# KiCad board data-center-ddr5-tester.kicad_pcb (continued)
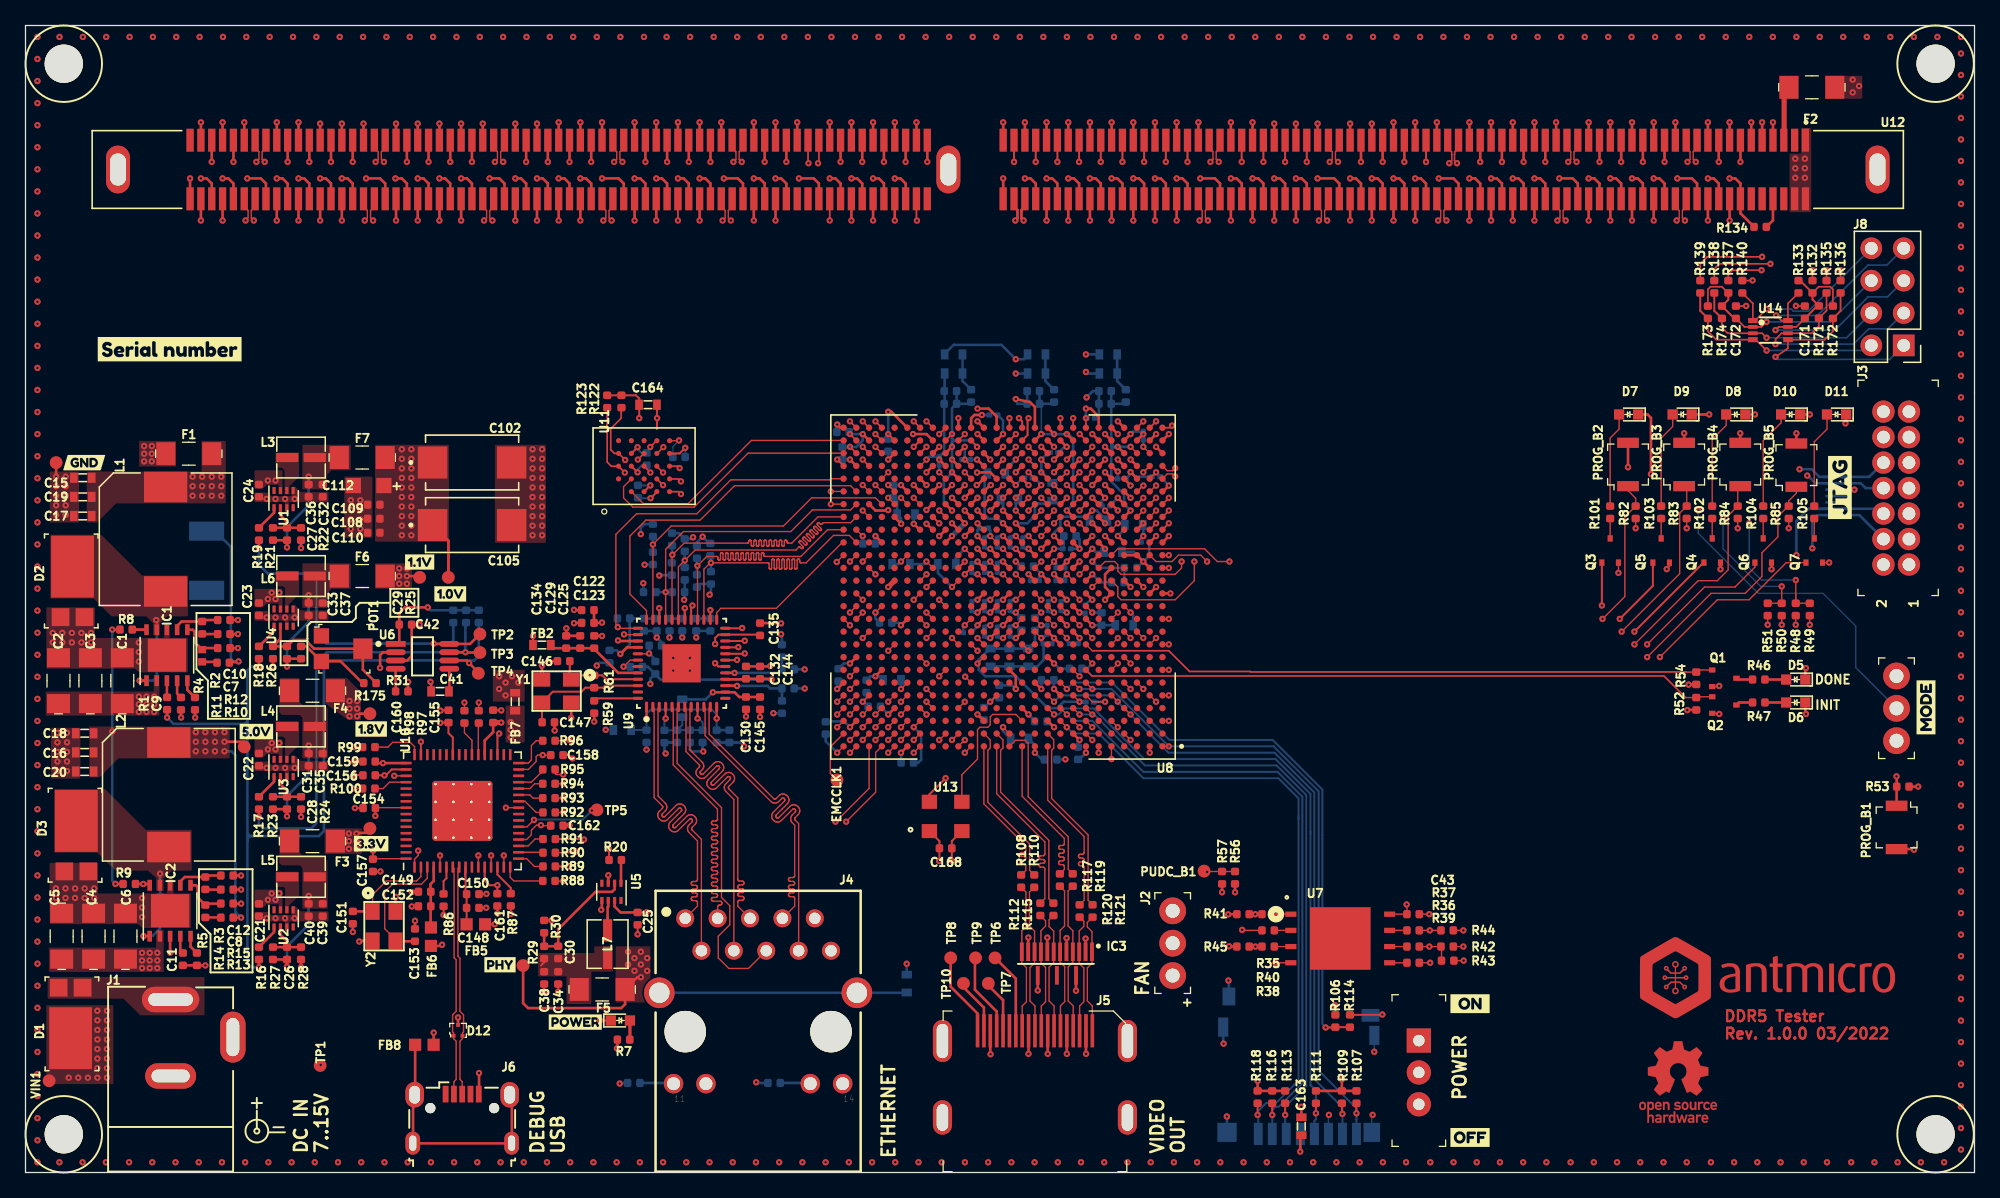
[diagram p0: board, top side]
## Routing (per net, layer and track width the routed paths; a pad name or vN(x,y) marks a point on that pad's centre or on a via; arc(x,y) is an arc through that point) (continued)
SCL_3V3: length 94.3
  Top w0.1: U8.E25 v1(64.64,36.94)
  Top w0.127: R135.1 v1(141.2,70.8)
  In2.Cu w0.127: v1(141.2,70.8) 141.2,67 115.1,40.9 80.3,40.9 79.7,40.3 71.7,40.3 70.8,39.4 68.2,39.4 66.9,38.1 65.8,38.1 v1(64.64,36.94)
SD_CD: length 45.2
  Top w0.1: U8.F9 v1(81.64,37.94)
  Top w0.15: v1(101.93,11.38) 102.8,11.38 ; R114.1 R106.2 102.67,11.38
  Bottom w0.15: v1(81.64,37.94) 82.14,38.44 85.19,38.44 89.69,33.94 97.77,33.94 101.68,30.04 101.68,26.45 101.68,11.63 v1(101.93,11.38)
SD_CLK: length 51.6
  Top w0.1: U8.D10 v1(80.64,35.94)
  Top w0.15: R111.2 v1(101.17,4.65)
  Bottom w0.15: 100.74,26.55 100.74,6.85 101.17,6.43 v1(101.17,4.65) 101.17,4.17 101.05,4.05 J7.5 ; 100.74,26.55 100.74,26.71 ; 100.74,26.55 100.74,29.7 98,32.44 87.71,32.44 83.74,36.41 81.48,36.41 81.01,35.94 80.64,35.94 v1(80.64,35.94)
SD_CMD: length 49.2
  Top w0.1: U8.D8 v1(82.64,35.94)
  Top w0.15: R113.2 v1(98.76,4.52)
  Bottom w0.15: v1(82.64,35.94) 83.76,35.94 87.76,31.94 98.08,31.94 100.41,29.61 100.41,6.81 98.76,5.16 v1(98.76,4.52) 98.76,3.12
SD_DAT0: length 53.3
  Top w0.1: U8.E10 v1(80.64,36.94)
  Top w0.15: 103.2,5.14 R109.2 103.2,4.65 v1(103.25,4.6)
  Bottom w0.15: v1(80.64,36.94) 81.14,37.44 85.11,37.44 89.61,32.94 97.93,32.94 101.04,29.82 101.04,7.31 103.25,5.11 v1(103.25,4.6) J7.7
SD_DAT1: length 52.2
  Top w0.1: U8.F8 v1(82.64,37.94)
  Top w0.15: R107.2 v1(104.34,4.65)
  Bottom w0.15: v1(82.64,37.94) 85.14,37.94 89.64,33.44 97.85,33.44 101.38,29.91 101.38,8 104.34,5.03 104.34,4.14 ; 104.34,4.14 v1(104.34,4.65) ; 104.34,4.14 J7.8
SD_DAT2: length 50.4
  Top w0.1: U8.C9 v1(81.64,34.94)
  Top w0.15: R118.2 v1(96.6,4.52)
  Bottom w0.15: 99.81,27.97 99.81,27.77 ; 99.81,27.77 99.81,7.22 98.04,5.46 97.28,5.46 96.6,4.78 v1(96.6,4.52) 96.65,4.47 J7.1 ; 99.81,27.77 99.81,29.36 98.23,30.94 87.64,30.94 84.14,34.44 82.14,34.44 v1(81.64,34.94)
SD_DAT3: length 50.4
  Top w0.1: U8.D9 v1(81.64,35.94)
  Top w0.15: R116.2 97.74,4.52 v1(97.75,4.51)
  Bottom w0.15: J7.2 v1(97.75,4.51) 97.75,4.91 97.99,5.16 98.25,5.16 100.11,7.01 100.11,29.49 98.15,31.44 87.64,31.44 83.64,35.44 82.14,35.44 v1(81.64,35.94)
SDA_3V3: length 96.8
  Top w0.1: U8.D26 v1(63.64,35.94)
  Top w0.127: R136.1 v1(142.3,70.8)
  In2.Cu w0.127: v1(142.3,70.8) 142.3,67.4 115.4,40.5 80.58,40.5 79.98,39.9 71.9,39.9 71,39 68.4,39 67.1,37.7 65.78,37.7 65.2,37.12 65.2,36.8 64.8,36.4 64.1,36.4 v1(63.64,35.94)
SYS_ON: length 38.3
  Top w0.2: U6.2 28.03,40.83 27.8,40.6 v1(27.8,39.6) ; R9.2 v1(9.24,22.64) 9.64,22.64 IC2.10
  In5.Cu w0.2: v1(9.24,22.64) 15.84,22.64 16.2,23 16.2,38.8 16.65,39.25 27.45,39.25 v1(27.8,39.6)
TCK_JTAG: length 125.4
  Top w0.1: 41.54,22.86 42.15,22.86 ; U8.L8 v3(82.64,42.94)
  In5.Cu w0.1: v1(138.84,48.44) 122.64,48.44 118.64,44.44 85.14,44.44 84.14,43.44 83.14,43.44 v3(82.64,42.94) U8.L8 61.39,43.44 60.39,42.44 60.39,35.19 51.89,26.69 45.68,26.69 43.89,24.9 43.89,23.44 43.32,22.88 v1(42.16,22.88)
  Bottom w0.2: D4.13 140.09,52.08 ; D4.13 D4.13 145.28,52.08 J3.6 ; D4.13 139.79,52.08 138.84,51.13 v1(138.84,48.44)
TDI_JTAG: length 137.3
  Top w0.1: v1(90.64,47.94) 90.64,47.44 90.14,46.94 85.89,46.94 85.64,47.19 85.64,47.69 85.39,47.94 84.64,47.94 U8.R6
  Top w0.15: R89.2 42.52,24.02
  In5.Cu w0.1: v1(139.09,55.18) 139.09,50.81 138.37,50.09 125.49,50.09 124.64,50.94 121.14,50.94 116.64,46.44 92.14,46.44 v1(90.64,47.94) 90.14,47.44 79.14,47.44 ; 76.89,46.44 61.39,46.44 59.64,44.69 59.64,35.94 51.14,27.44 44.1,27.44 42.54,25.87 v1(42.54,24)
  In5.Cu w0.11: 76.89,46.44 77.14,46.69 77.14,47.19 77.39,47.44 79.14,47.44
  In9.Cu w0.15: 42.52,24.02 v1(42.54,24)
  Bottom w0.2: D4.8 140.64,54.58 140.04,55.18 v1(139.09,55.18) ; D4.8 140.91,54.58 ; D4.8 D4.8 144.54,54.58 J3.10
TDO_JTAG: length 127.3
  Top w0.1: R90.2 43.04,25.09 v1(43.14,25.19) ; U8.R7 v3(82.64,46.94)
  In5.Cu w0.1: v3(82.64,46.94) 82.14,46.44 82.14,45.69 81.89,45.44 61.39,45.44 59.89,43.94 59.89,35.69 51.39,27.19 44.14,27.19 43.14,26.19 v1(43.14,25.19) ; 84.14,46.44 91.39,46.44 91.89,45.94 117.14,45.94 121.64,50.44 124.14,50.44 124.79,49.79 ; 124.79,49.79 124.64,49.94 ; 124.79,49.79 138.84,49.79 139.69,50.64 v1(139.69,54.68)
  In5.Cu w0.11: 84.14,46.44 83.14,46.44 v3(82.64,46.94)
  Bottom w0.2: v1(139.69,54.68) 139.74,54.68 140.34,54.08 D4.9 D4.9 143.89,54.08 144.26,53.7 J3.8
TMDS_CLK_N: length 12.9
  Top w0.1: U8.A15 75.14,28.92 78.42,25.64 78.42,25.26 78.41,25.23 78.4,25.19 78.38,25.17 78.36,25.14 78.33,25.12 78.3,25.11 78.27,25.11 78.12,25.11 78.08,25.11 78.05,25.09 78.02,25.08 78,25.05 77.98,25.02 77.97,24.99 77.97,24.96 77.97,24.93 77.98,24.89 78,24.87 78.02,24.84 78.05,24.82 78.08,24.81 78.12,24.81 78.27,24.81 78.3,24.81 78.33,24.79 78.36,24.78 78.38,24.75 78.4,24.72 78.41,24.69 78.42,24.66 78.41,24.63 78.4,24.59 78.38,24.57 78.36,24.54 78.33,24.52 78.3,24.51 78.27,24.51 78.12,24.51 78.08,24.51 78.05,24.49 78.02,24.48 78,24.45 77.98,24.42 77.97,24.39 77.97,24.36 77.97,24.33 77.98,24.29 78,24.27 78.02,24.24 78.05,24.22 78.08,24.21 78.12,24.21 78.27,24.21 78.3,24.21 78.33,24.19 78.36,24.18 78.38,24.15 78.4,24.12 78.41,24.09 78.42,24.06 78.42,23.71 R108.1
TMDS_CLK_P: length 12.9
  Top w0.1: R110.1 78.73,23.71 78.73,25.77 75.45,29.05 75.45,33.13 75.64,33.32 75.64,33.94 U8.B15
TMDS_D0_N: length 15.3
  Top w0.1: U8.A14 76.14,29.72 79.92,25.94 79.92,25.01 79.91,24.98 79.9,24.94 79.88,24.92 79.86,24.89 79.83,24.87 79.8,24.86 79.77,24.86 79.62,24.86 79.58,24.86 79.55,24.84 79.52,24.83 79.5,24.8 79.48,24.77 79.47,24.74 79.47,24.71 79.47,24.68 79.48,24.64 79.5,24.62 79.52,24.59 79.55,24.57 79.58,24.56 79.62,24.56 79.77,24.56 79.8,24.56 79.83,24.54 79.86,24.53 79.88,24.5 79.9,24.47 79.91,24.44 79.92,24.41 79.91,24.38 79.9,24.34 79.88,24.32 79.86,24.29 79.83,24.27 79.8,24.26 79.77,24.26 79.62,24.26 79.58,24.26 79.55,24.24 79.52,24.23 79.5,24.2 79.48,24.17 79.47,24.14 79.47,24.11 79.47,24.08 79.48,24.04 79.5,24.02 79.52,23.99 79.55,23.97 79.58,23.96 79.62,23.96 79.77,23.96 79.8,23.96 79.83,23.94 79.86,23.93 79.88,23.9 79.9,23.87 79.91,23.84 79.92,23.81 79.92,21.49 R112.1
TMDS_D0_P: length 15.3
  Top w0.1: R115.1 80.23,21.49 80.23,26.07 76.45,29.85 76.45,33.13 76.64,33.32 76.64,33.94 U8.B14
TMDS_D1_N: length 13.5
  Top w0.1: U8.A12 78.14,29.52 81.44,26.21 81.44,25.81 81.44,25.77 81.43,25.74 81.41,25.71 81.39,25.69 81.36,25.67 81.33,25.66 81.29,25.66 81.14,25.66 81.11,25.65 81.08,25.64 81.05,25.62 81.02,25.6 81.01,25.57 81,25.54 80.99,25.51 81,25.47 81.01,25.44 81.02,25.41 81.05,25.39 81.08,25.37 81.11,25.36 81.14,25.36 81.29,25.36 81.33,25.35 81.36,25.34 81.39,25.32 81.41,25.3 81.43,25.27 81.44,25.24 81.44,25.21 81.44,25.17 81.43,25.14 81.41,25.11 81.39,25.09 81.36,25.07 81.33,25.06 81.29,25.06 81.14,25.06 81.11,25.05 81.08,25.04 81.05,25.02 81.02,25 81.01,24.97 81,24.94 80.99,24.91 81,24.87 81.01,24.84 81.02,24.81 81.05,24.79 81.08,24.77 81.11,24.76 81.14,24.76 81.29,24.76 81.33,24.75 81.36,24.74 81.39,24.72 81.41,24.7 81.43,24.67 81.44,24.64 81.44,24.61 81.44,24.57 81.43,24.54 81.41,24.51 81.39,24.49 81.36,24.47 81.33,24.46 81.29,24.46 81.14,24.46 81.11,24.45 81.08,24.44 81.05,24.42 81.02,24.4 81.01,24.37 81,24.34 80.99,24.31 81,24.27 81.01,24.24 81.02,24.21 81.05,24.19 81.08,24.17 81.11,24.16 81.14,24.16 81.29,24.16 81.33,24.15 81.36,24.14 81.39,24.12 81.41,24.1 81.43,24.07 81.44,24.04 81.44,24.01 81.44,23.78 R117.1
TMDS_D1_P: length 13.5
  Top w0.1: R119.1 81.75,23.78 81.75,26.34 78.61,29.48 78.61,33.66 78.36,33.91 77.61,33.91 U8.A13
TMDS_D2_N: length 15
  Top w0.1: R120.1 83,21.36 83,23.92 82.99,23.96 82.98,23.99 82.96,24.02 82.94,24.04 82.91,24.06 82.88,24.07 82.85,24.07 82.7,24.07 82.67,24.08 82.63,24.09 82.61,24.11 82.58,24.13 82.56,24.16 82.55,24.19 82.55,24.22 82.55,24.26 82.56,24.29 82.58,24.32 82.61,24.34 82.63,24.36 82.67,24.37 82.7,24.37 82.85,24.37 82.88,24.38 82.91,24.39 82.94,24.41 82.96,24.43 82.98,24.46 82.99,24.49 83,24.52 82.99,24.56 82.98,24.59 82.96,24.62 82.94,24.64 82.91,24.66 82.88,24.67 82.85,24.67 82.7,24.67 82.67,24.68 82.63,24.69 82.61,24.71 82.58,24.73 82.56,24.76 82.55,24.79 82.55,24.82 82.55,24.86 82.56,24.89 82.58,24.92 82.61,24.94 82.63,24.96 82.67,24.97 82.7,24.97 82.85,24.97 82.88,24.98 82.91,24.99 82.94,25.01 82.96,25.03 82.98,25.06 82.99,25.09 83,25.12 83,26.36 80.14,29.22 U8.A10
TMDS_D2_P: length 15
  Top w0.1: R121.1 83.31,21.36 83.31,26.49 80.45,29.35 80.45,33.13 80.61,33.29 80.61,33.96 U8.B10
TMS_JTAG: length 122.8
  Top w0.1: U8.N8 v3(82.64,44.94)
  Top w0.15: v1(43.79,26.13) 43.75,26.17 R91.2
  In5.Cu w0.1: v1(43.79,26.13) 44.6,26.94 51.64,26.94 60.14,35.44 60.14,43.19 61.49,44.54 82.24,44.54 v3(82.64,44.94) 83.14,45.44 91.39,45.44 91.89,44.94 118.16,44.94 122.16,48.94 140.05,48.94
  In9.Cu w0.1: v1(140.09,48.98) 140.05,48.94
  Bottom w0.15: v1(140.09,48.98) 140.09,49.33
  Bottom w0.2: v1(140.09,48.98) 140.09,51.18 140.49,51.58 D4.14 D4.14 143.78,51.58 J3.4
UART0_RX: length 36.3
  Top w0.1: R97.2 v4(35.54,36.88) ; U8.F25 v1(64.64,37.94)
  In2.Cu w0.1: v1(64.64,37.94) 64.14,37.44 62.35,37.44 57.35,32.44 44,32.44 42.91,33.53 36.55,33.53 35.14,34.94 35.14,36.48 v4(35.54,36.88)
UART0_TX: length 35.3
  Top w0.1: R98.2 v4(34.41,36.88) ; U8.E26 v1(63.64,36.94)
  In2.Cu w0.1: v1(63.64,36.94) 62.14,36.94 57.44,32.24 43.84,32.24 42.75,33.33 36.47,33.33 34.64,35.16 34.64,36.65 v4(34.41,36.88)
UART1_RX: length 48.9
  Top w0.1: R99.2 v4(25.79,33.38) ; U8.A24 66.14,30.14 63.53,27.53
  In2.Cu w0.1: v4(25.79,33.38) 29.91,33.38 31.09,32.2 38.79,32.2 40.87,30.12 40.87,28.16 41.25,27.78 43.56,27.78 43.82,27.53 v1(63.5,27.53)
UART1_TX: length 50.8
  Top w0.1: v1(64.34,27.53) 66.65,29.84 66.65,32.96 67.13,33.44 U8.A23 ; R100.2 v4(25.79,30.13)
  In2.Cu w0.1: v4(25.79,30.13) 29.37,30.13 31.22,31.97 38.66,31.97 40.62,30.02 40.62,27.99 41.91,26.69 63.5,26.69 v1(64.34,27.53)
USR_BTN1: length 78
  Top w0.1: PROG_B2.1 125.64,53.5 126.24,52.9 126.24,52.3 ; U8.C21 v1(68.64,34.94) ; R82.2 125.39,51.44 125.39,45.19 v1(123.64,43.44)
  In7.Cu w0.15: v1(68.64,34.94) 69.14,34.44 70.14,34.44 70.64,33.94 70.64,30.44 72.14,28.94 109.14,28.94 v1(123.64,43.44)
USR_BTN2: length 79.9
  Top w0.1: PROG_B3.1 130.24,53.65 R83.2 129.69,51.74 129.69,46.99 v1(125.14,42.44) ; U8.A20 v1(69.64,32.94)
  In7.Cu w0.15: v1(69.64,32.94) 69.64,29.44 71.14,27.94 110.64,27.94 v1(125.14,42.44)
USR_BTN3: length 90.5
  Top w0.1: PROG_B4.1 134.24,53.65 R84.2 133.49,51.54 133.49,47.29 132.64,46.44 131.14,46.44 v1(126.14,41.44) ; U8.E21 v1(68.64,36.94)
  In7.Cu w0.15: v1(68.64,36.94) 68.14,36.44 68.14,28.94 70.14,26.94 111.64,26.94 v1(126.14,41.44)
USR_BTN4: length 96
  Top w0.1: PROG_B5.1 138.84,53.3 138.24,52.7 R85.2 138.19,52.29 137.39,51.48 137.39,49.88 136.14,48.63 136.14,46.76 134.81,45.44 132.14,45.44 v1(127.14,40.44) ; U8.D23 v1(66.64,35.94)
  In7.Cu w0.15: v1(66.64,35.94) 66.14,35.44 66.14,28.94 69.14,25.94 112.64,25.94 v1(127.14,40.44)
USR_LED1: length 70
  Top w0.1: U8.D21 v1(68.64,35.94)
  Top w0.15: Q3.1 v1(123.59,44.49)
  In7.Cu w0.15: v1(68.64,35.94) 69.14,35.44 70.14,35.44 71.14,34.44 71.14,30.94 72.64,29.44 108.54,29.44 v1(123.59,44.49)
USR_LED2: length 72.2
  Top w0.1: U8.B20 v1(69.64,33.94)
  Top w0.15: Q5.1 127.59,47.58 ; 127.59,47.58 127.59,47.45 ; 127.59,47.58 127.59,46.04 v1(124.99,43.44)
  In7.Cu w0.15: v1(69.64,33.94) 70.14,33.44 70.14,29.94 71.64,28.44 109.99,28.44 v1(124.99,43.44)
USR_LED3: length 77.4
  Top w0.1: U8.B21 v1(68.64,33.94)
  Top w0.15: v1(126.14,42.44) 131.55,47.85 Q4.1
  In7.Cu w0.15: v1(68.64,33.94) 69.14,33.44 69.14,28.94 70.64,27.44 111.14,27.44 v1(126.14,42.44)
USR_LED4: length 85.5
  Top w0.1: 135.59,47.78 Q6.1 135.59,47.5 134.02,45.94 131.64,45.94 v1(127.14,41.44) ; U8.C22 v1(67.64,34.94)
  In7.Cu w0.15: v1(67.64,34.94) 67.14,34.44 67.14,28.94 69.64,26.44 112.14,26.44 v1(127.14,41.44)
USR_LED5: length 96
  Top w0.1: U8.E22 v1(67.64,36.94) ; v1(128.14,40.44) 132.64,44.94 135.13,44.94 138.04,47.85 Q7.1
  In7.Cu w0.15: v1(67.64,36.94) 67.14,36.44 65.32,36.44 65.14,36.25 65.14,28.94 68.64,25.44 113.14,25.44 v1(128.14,40.44)
VREF_32: length 15.6
  Top w0.1: U8.AE16 74.6,56.98 v1(74.6,56.94)
  Top w0.2: U8.Y18 v1(72.64,51.94)
  Bottom w0.2: 72.81,57.44 72.64,57.61 ; 72.81,57.44 72.94,57.44 ; 72.81,57.44 72.64,57.27 72.64,57.14 ; 72.64,57.61 72.64,59.95 C173.1 ; 72.64,57.61 72.64,57.39 ; C174.1 C173.1 ; C173.1 74,60.31 FB9.2 ; v1(72.64,51.94) 72,52.58 72,54.25 72.64,54.89 72.64,57.14 ; 72.64,57.39 72.69,57.44 72.94,57.44 ; 72.64,57.39 72.64,57.14 ; v1(74.6,56.94) 74.1,57.44 72.94,57.44
VREF_33: length 14.5
  Top w0.2: U8.AE11 v1(79.64,57.94) ; U8.W8 v1(81.64,51.94)
  Bottom w0.1: C175.1 79.64,60.17 v1(79.64,57.94)
  Bottom w0.2: C176.1 C175.1 80.5,60.31 FB10.2 ; v1(81.64,51.94) 82.14,52.44 82.14,57.56 81.76,57.94 v1(79.64,57.94)
VREF_34: length 15.6
  Top w0.1: U8.AD3 v1(86.64,56.94)
  Top w0.2: U8.W4 v1(86.64,51.94)
  Bottom w0.2: FB11.2 86.12,60.31 C169.1 ; C170.1 C169.1 ; C169.1 85.12,57.42 ; 85.12,57.42 85.12,57.17 ; 85.12,57.42 85.12,57.2 85.39,56.94 ; 85.12,57.17 85.12,56.83 ; 85.12,57.17 85.36,56.94 85.39,56.94 ; 85.12,56.55 85.12,54.22 86.13,53.21 86.13,52.45 v1(86.64,51.94) ; 85.12,56.55 85.12,56.83 ; 85.12,56.55 85.12,56.67 85.39,56.94 ; 85.12,56.83 85.23,56.94 85.39,56.94 ; v1(86.64,56.94) 85.39,56.94
VRN_32: length 5.8
  Top w0.2: U8.V13 v1(76.64,50.94)
  Bottom w0.2: R127.1 75.19,54.63 75.19,51.61 75.5,51.3 76.28,51.3 v1(76.64,50.94)
VRN_33: length 4.7
  Top w0.2: U8.U9 v1(80.64,49.94)
  Bottom w0.2: v1(80.64,49.94) 80.64,50.19 81.13,50.68 81.13,51.23 81.35,51.45 83.13,51.45 R131.1
VRN_34: length 1.8
  Top w0.2: v1(85.64,49.95) 86.14,49.45 U8.U4
  Bottom w0.2: R161.1 86.19,50.49 v1(85.64,49.95)
VRP_32: length 1.7
  Top w0.2: U8.W13 v1(76.64,51.94)
  Bottom w0.2: v1(76.64,51.94) 76.64,52.61 R126.1
VRP_33: length 4.7
  Top w0.2: U8.V12 v1(77.64,50.94)
  Bottom w0.2: R130.1 80.28,52.49 79.42,52.49 79.13,52.2 79.13,51.53 78.54,50.94 v1(77.64,50.94)
VRP_34: length 1.7
  Top w0.2: U8.T7 v1(83.64,48.94)
  Bottom w0.2: v1(83.64,48.94) 83.89,48.69 R162.1
Net-(C7-Pad1): length 1.2
  Top w0.2: R2.2 13.86,42.25 C7.1
Net-(C8-Pad1): length 1.2
  Top w0.2: C8.1 14.11,22.2 R3.2
Net-(C9-Pad1): length 1.4
  Top w0.2: C9.1 11.89,37.57 IC1.4
Net-(C10-Pad1): length 3.7
  Top w0.2: C10.1 13.97,43.35 R2.1 12.23,43.23 11.89,42.89 IC1.7
Net-(C11-Pad1): length 1.4
  Top w0.2: C11.1 12.14,17.42 IC2.4
Net-(C12-Pad1): length 3.7
  Top w0.2: C12.1 14.22,23.3 R3.1 12.48,23.19 12.14,22.84 IC2.7
Net-(C13-Pad1): length 1.8
  Bottom w0.2: v1(10.25,43.35) 10.3,43.3 C13.1
Net-(C13-Pad2): length 3.7
  Top w0.2: IC1.1 9.48,38.6 v1(8.95,38.6)
  Bottom w0.2: C13.2 10.3,38.9 10,38.6 v1(8.95,38.6)
Net-(C14-Pad1): length 1.8
  Bottom w0.2: C14.1 v1(10.55,23.45)
Net-(C14-Pad2): length 3.6
  Top w0.2: v1(9.25,18.55) 9.73,18.55 IC2.1
  Bottom w0.2: C14.2 10.55,19.15 9.97,18.58 9.28,18.58 v1(9.25,18.55)
Net-(C26-Pad2): length 4
  Top w0.2: C26.2 20.5,18.15 19.99,18.66 U2.2 ; R27.2 R28.1
Net-(C27-Pad2): length 4
  Top w0.2: R21.2 R22.1 ; C27.2 20.5,51.05 19.99,51.56 U1.2
Net-(C28-Pad2): length 4
  Top w0.2: C28.2 20.5,29.95 19.99,30.46 U3.2 ; R23.2 R24.1
Net-(C29-Pad2): length 12.5
  Top w0.2: U4.2 19.99,41.87 R26.1 C29.2 21,41.78 21.94,41.78 22.62,41.1 POT1.2 26.45,39.45 27.49,38.42 R175.2
Net-(C30-Pad2): length 9.5
  Top w0.2: 40.66,17.76 C30.2 41.76,19.09 44.69,22.02 45.99,22.02 46.19,22.22 U5.2 ; 40.66,18.68 40.66,17.78
Net-(C41-Pad2): length 1.8
  Top w0.2: U6.5 33.23,37.78 C41.2
Net-(C146-Pad1): length 6.3
  Top w0.15: C146.1 42.67,38.79 Y1.1 ; 43.35,39.01 R61.1 45.22,39.01 45.52,38.7 U9.45
Net-(C147-Pad1): length 9.6
  Top w0.15: C147.1 40.49,35.34 Y1.3 41.34,37.73 43.59,37.73 43.9,38.04 R61.2 45.29,38.04 45.45,38.2 U9.46
Net-(C148-Pad1): length 5.2
  Top w0.1: 34.44,23.97 34.44,23.26
  Top w0.15: FB5.2 C148.1 C150.1 34.5,21.92 34.5,23.9
Net-(C149-Pad1): length 4.5
  Top w0.2: 31.76,19.5 31.76,20.88 C152.1 C149.1 31.75,22.05 31.75,22.62 32,22.88 32,23.9
Net-(C151-Pad1): length 7.9
  Top w0.1: 31,23.9 31,23.22 30.66,22.88 28.29,22.88 27.21,21.8 Y2.1
  Top w0.2: Y2.1 27.2,20.49 C151.1
Net-(C153-Pad1): length 10.3
  Top w0.1: Y2.3 29.01,18.28 28.16,19.13 28.16,22 28.79,22.63 31.04,22.63 31.5,23.09 31.5,23.9
  Top w0.2: C153.1 29.05,18.14 Y2.3
Net-(D4-Pad11): length 1.2
  Bottom w0.2: D4.11 D4.11
Net-(D4-Pad12): length 1.2
  Bottom w0.2: D4.12 D4.12
Net-(D5-Pad2): length 1.7
  Top w0.2: D5.2 R46.1
Net-(D6-Pad2): length 1.7
  Top w0.2: R47.1 D6.2
Net-(D7-Pad2): length 7.3
  Top w0.1: R101.1 124.24,57.63 124.94,58.33 124.94,59.28
Net-(D8-Pad2): length 7.5
  Top w0.1: R102.1 132.24,57.53 133.34,58.63 133.34,59.38
Net-(D9-Pad2): length 7.4
  Top w0.1: 129.14,59.28 129.14,58.53 128.24,57.63 R103.1
Net-(D10-Pad2): length 7.8
  Top w0.1: R104.1 136.24,57.43 137.64,58.83 D10.2
Net-(D11-Pad2): length 7.6
  Top w0.1: R105.1 140.24,57.33 141.24,58.33 D11.2
Net-(FB4-Pad1): length 19.4
  Bottom w0.2: 69.06,14.1 J4.Z1 J4.Z2
Net-(FB8-Pad2): length 19.4
  Top w0.2: FB8.2 30.55,6.64 30.38,6.47 30.38,2.29 38.1,2.29 J6.6 ; 37.98,6.62 38.13,6.47 38.13,2.82
Net-(FB9-Pad1): length 3
  Bottom w0.2: R124.2 R125.1 73.46,62.1 FB9.1
Net-(FB10-Pad1): length 3
  Bottom w0.2: R128.2 R129.1 79.96,62.1 FB10.1
Net-(FB11-Pad1): length 3
  Bottom w0.2: R159.2 R160.1 85.59,62.1 FB11.1
Net-(IC1-Pad3): length 1.3
  Top w0.2: R1.1 11.09,37.3 IC1.3
Net-(IC1-Pad5): length 1.6
  Top w0.2: IC1.5 12.69,37.87 R4.2
Net-(IC1-Pad6): length 3.5
  Top w0.2: IC1.6 13.11,42.59 13.25,42.45 13.25,41.64 13.85,41.03 13.97,41.15 R12.1
Net-(IC1-Pad10): length 2.1
  Top w0.2: R8.2 8.38,42.59 IC1.10 8.47,42.59
Net-(IC2-Pad5): length 1.5
  Top w0.2: IC2.5 12.94,17.72 R5.2
Net-(IC2-Pad6): length 3.5
  Top w0.2: IC2.6 13.36,22.54 13.5,22.4 13.5,21.58 R14.2 14.22,21.1 R15.1
Net-(J4-Pad11): length 2.7
  Bottom w0.2: R58.1 50.75,7.03 J4.11
Net-(J4-Pad13): length 2.4
  Bottom w0.2: R60.1 61.47,7.03 J4.13
Net-(J5-Pad13): length 6.4
  Top w0.2: J5.13 77.64,15.21 TP6.1
Net-(J5-Pad15): length 4.3
  Top w0.2: J5.15 76.64,13.53 75.33,14.84
Net-(J5-Pad16): length 6.5
  Top w0.2: 74.26,16.84 74.43,16.66 74.43,14.34 76.14,12.63 J5.16
Net-(J5-Pad18): length 4.4
  Top w0.2: TP10.1 73.53,14.54 75.14,12.93 J5.18
Net-(J5-Pad19): length 6.6
  Top w0.2: J5.19 74.64,12.47 72.53,14.58 TP8.1
Net-(J7-Pad9): length 3.6
  Top w0.15: v1(106.38,12.39) 106.35,12.37 R114.2
  Bottom w0.15: v1(106.38,12.39) 105.38,12.39 105.32,12.33
Net-(L7-Pad1): length 3.4
  Top w0.2: 45.64,20.08 L7.1 45.64,20.82 45.69,20.87 U5.6
Net-(POT1-Pad3): length 6.1
  Top w0.2: R25.2 22.01,41.28 POT1.3 23.22,40.11 24.7,40.11 26.41,38.4 R175.1
Net-(PWR1-Pad2): length 1.5
  Top w0.25: PWR1.2 47.39,10.44 R7.1
Net-(Q1-Pad3): length 1.3
  Top w0.2: R46.2 134.24,38.68 Q1.3
Net-(Q2-Pad3): length 1.3
  Top w0.2: R47.2 134.34,36.88 Q2.3
Net-(Q3-Pad3): length 1.6
  Top w0.1: 124.24,49.8 124.24,51.37
Net-(Q4-Pad3): length 1.5
  Top w0.1: 132.24,49.81 R102.2
Net-(Q5-Pad3): length 1.5
  Top w0.1: 128.24,49.81 R103.2
Net-(Q6-Pad3): length 1.6
  Top w0.1: Q6.3 R104.2
Net-(Q7-Pad3): length 1.6
  Top w0.1: Q7.3 R105.2
Net-(R10-Pad2): length 1.2
  Top w0.2: 15.06,40.05 15.05,40.06 13.85,40.06
Net-(R13-Pad2): length 1.2
  Top w0.2: R13.2 15.3,20.02 R14.1
Net-(R16-Pad1): length 2.1
  Top w0.2: R16.1 19.49,18.87 U2.1
Net-(R17-Pad1): length 2.1
  Top w0.2: R17.1 19.49,30.67 U3.1
Net-(R18-Pad1): length 2.1
  Top w0.2: R18.1 19.49,42.47 U4.1
Net-(R19-Pad1): length 2.1
  Top w0.2: U1.1 19.49,51.77 R19.1
Net-(R20-Pad1): length 1.8
  Top w0.2: U5.1 46.69,24.49
Net-(R31-Pad1): length 1.8
  Top w0.2: U6.4 29.01,39.52 R31.1
Net-(R35-Pad1): length 1.3
  Top w0.1: R35.1 U7.1
Net-(R36-Pad1): length 1.4
  Top w0.1: U7.6 R36.1
Net-(R37-Pad1): length 1.4
  Top w0.1: U7.7 R37.1
Net-(R38-Pad1): length 1.3
  Top w0.1: R38.1 U7.3
Net-(R39-Pad1): length 1.4
  Top w0.1: U7.5 R39.1
Net-(R40-Pad1): length 1.3
  Top w0.1: R40.1 U7.2
Net-(R59-Pad2): length 3.2
  Top w0.15: U9.48 44.78,37.2
Net-(R86-Pad2): length 2.2
  Top w0.15: U10.6 33,23.09 32.78,22.87 R86.2
Net-(R87-Pad2): length 2.4
  Top w0.15: R87.2 38.05,22.33 37,23.38 37,23.9
Net-(R88-Pad1): length 3.5
  Top w0.1: R88.1 38.29,22.88 38,23.16 U10.16
Net-(R89-Pad1): length 2.2
  Top w0.1: 38.6,24.63 39.29,24.63 39.9,24.02 R89.1
Net-(R90-Pad1): length 2
  Top w0.1: R90.1 40.54,25.13 38.6,25.13
Net-(R91-Pad1): length 2.2
  Top w0.1: 38.6,25.63 39.41,25.63 39.95,26.17 R91.1
Net-(R92-Pad1): length 2.3
  Top w0.1: R92.1 40.04,28.25 39.16,29.13 38.6,29.13
Net-(R93-Pad1): length 2.1
  Top w0.1: 38.6,29.63 39.54,29.63 39.79,29.38 R93.1
Net-(R94-Pad1): length 2.1
  Top w0.1: 38.6,30.13 39.54,30.13 39.91,30.5 R94.1
Net-(R95-Pad1): length 2.4
  Top w0.1: R95.1 40.55,31.52 39.66,30.63 38.6,30.63
Net-(R96-Pad1): length 3.9
  Top w0.1: R96.1 40.04,33.88 39.66,33.5 39.66,32.38 39.41,32.13 38.6,32.13
  Top w0.11: U10.32 39.22,32.12
Net-(R97-Pad1): length 2.5
  Top w0.1: U10.38 35.5,35.23 R97.1
Net-(R98-Pad1): length 2.7
  Top w0.1: R98.1 34.41,34.5 35,33.91 U10.39
Net-(R99-Pad1): length 4
  Top w0.1: R99.1 28.41,33.38 28.79,33.75 30.16,33.75 30.5,33.41 U10.48
Net-(R100-Pad1): length 2.6
  Top w0.1: R100.1 28.04,30.13 28.54,30.63 29.77,30.63
